# Altium PCB CADDX_passthrough_v1.PcbDoc (continued)
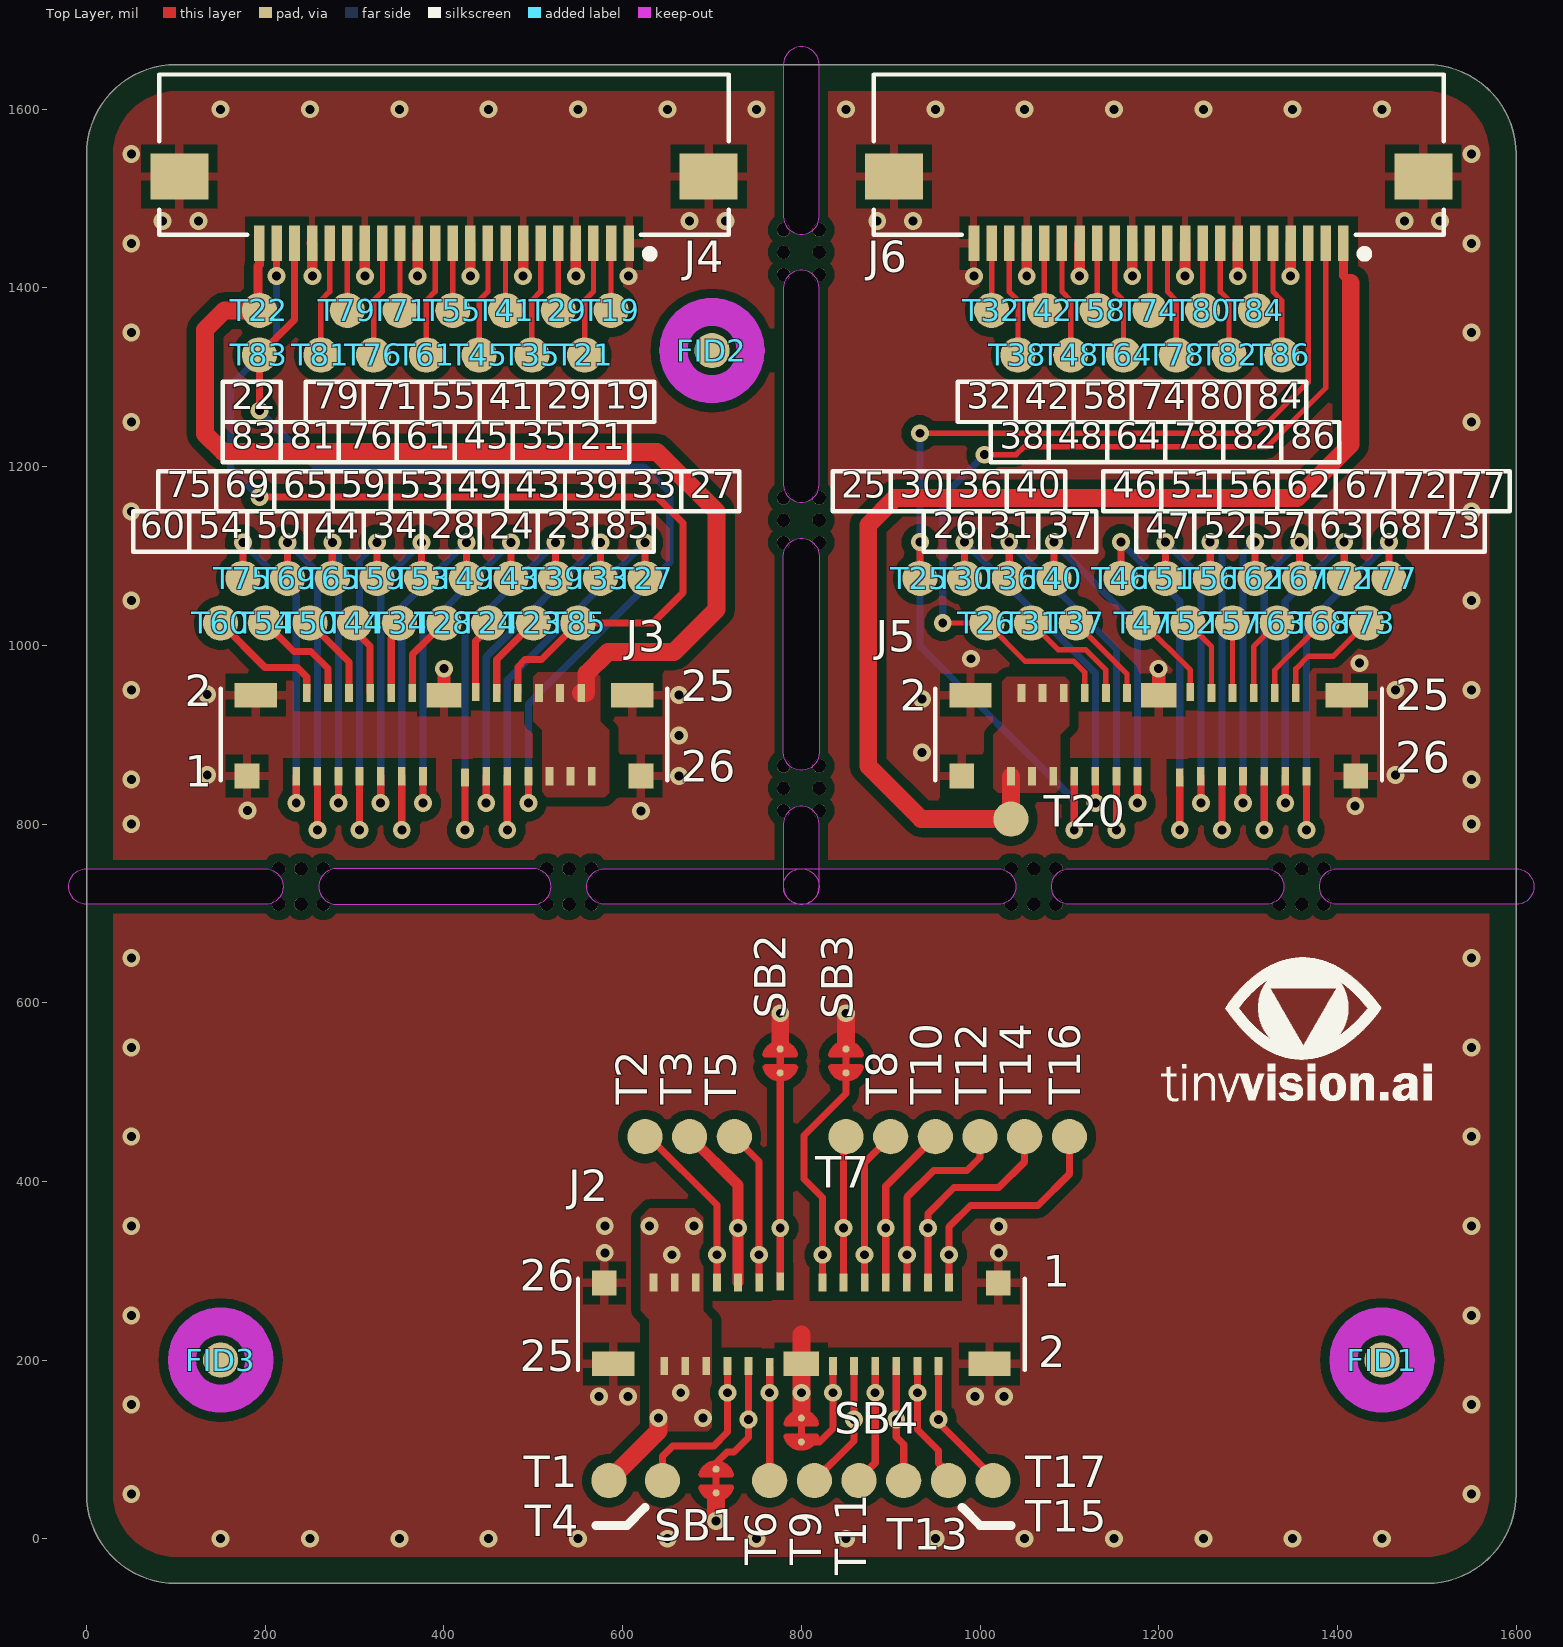
[diagram p0: Top Layer view]
## Part data
J1 J2 J3 J5: "0.3mm Pitch, Vertical Mating, Board-to-Fine Coaxial Cable, -35 ℃ to 85 ℃, RoHS", Flammability Rating="UL94 V-0", Insulation Color=Black, Manufacturer=Hirose, Max Operating Temperature=85°C, Min Operating Temperature=-35°C, Package Quantity=5000, Supplier Part Number=26-DF56C-26S-0.3V(51)DKR-ND, Voltage Rating (AC)=30V, Category="Headers and Wire Housings", ComponentLink1Description=http://www.mouser.com/ds/2/185/DF56_catalog-939255.pdf?src-supplier=Mouser, ComponentLink1URL=http://www.mouser.com/ds/2/185/DF56_catalog-939255.pdf?src-supplier=Mouser, ComponentLink2Description=https://www.hirose.com/product/document?clcode=CL0662-5607-0-51&amp;productname=DF56-50P-0.3SD(51)&amp;series=DF56&amp;documenttype=Catalog&amp;lang=en&amp;documentid=D49344_en&src-supplier=Digi-Key, ComponentLink2URL=https://www.hirose.com/product/document?clcode=CL0662-5607-0-51&amp;productname=DF56-50P-0.3SD(51)&amp;series=DF56&amp;documenttype=Catalog&amp;lang=en&amp;documentid=D49344_en&src-supplier=Digi-Key, Connector Type=Receptacle, Contact Finish - Mating=GOLD, Contact Material=Bronze, Contact Type=Non-Gendered, Fastening Type=Friction, Insulation Material=Polymer, Manufacturer Part Number=DF56C-26S-0.3V(51), Mounting Technology="Surface Mount", Number of Positions=26, Number of Rows=1, Packaging="Tape and Reel", Pricing="1=1.42000, 10=1.23400, 25=1.18160, 50=1.15540, 100=1.10290, 250=0.99788, 500=0.91910, 1000=0.78780, 2500=0.73528 (USD)", RoHS=Yes, RoHS Compliant=Yes, Series=DF56, Supplier=Digi-Key, Termination=Solder
J4 J6: library part 54548-2271, "CONN FFC BOTTOM 22POS 0.50MM R/A", Manufacturer=Molex, Package=None, Supplier Part Number=WM8828CT-ND, Manufacturer Part Number=0545482271, Supplier=Digi-Key
SB1 SB2 SB3 SB4: library part "Solderbridge Shorted", "Shorted Solderbridge", Artikkelnr Noca=N.A., Artikkelnr Simpro=N.A., Footprint Doc=Solderbridge_Shorted, LatestRevisionDate=2012-08-07, Part Number="Solderbridge Shorted", Pin Count=2, Published=2012-08-07, Publisher="Nordic Semiconductor"
T1 T2 T3 T4 T5 T6 T7 T8 T9 T10 T11 T12 T13 T14 T15 T16 T17 T19 T20 T21 T22 T23 T24 T25 T26 T27 T28 T29 T30 T31 T32 T33 T34 T35 T36 T37 T38 T39 T40 T41 T42 T43 T44 T45 T46 T47 T48 T49 T50 T51 T52 T53 T54 T55 T56 T57 T58 T59 T60 T61 T62 T63 T64 T65 T67 T68 T69 T71 T72 T73 T74 T75 T76 T77 T78 T79 T80 T81 T82 T83 T84 T85 T86: library part TP_S, "test point"
FID1 FID2 FID3 FID4 FID5 FID6: Notes=DNP

## Free pads (board coordinates)
  round 15 hole 15 unplated mask+0: 2(215,710) 2(215,750) 2(240,710) 2(240,750) 2(265,710) 2(265,750) 2(515,710) 2(515,750) 2(540,710) 2(540,750) 2(565,710) 2(565,750) 2(780,815) 2(780,840) 2(780,865) 2(780,1115) 2(780,1140) 2(780,1165) 2(780,1415) 2(780,1440) 2(780,1465) 2(820,815) 2(820,840) 2(820,865) 2(820,1115) 2(820,1140) 2(820,1165) 2(820,1415) 2(820,1440) 2(820,1465) 2(1035,710) 2(1035,750) 2(1060,710) 2(1060,750) 2(1085,710) 2(1085,750) 2(1335,710) 2(1335,750) 2(1360,710) 2(1360,750) 2(1385,710) 2(1385,750)

## Via types
v1: diameter 20, hole 10, Top Layer to Bottom Layer, 185 vias

## Nets (pads, with @x,y where several pads share a name; then routed paths per layer and width w, separated by ;. In a path a pad name is that pad's centre, name@x,y a point inside that pad or via, vN(x,y) a via of type N, cw(c..) or ccw(c..) an arc to the next point about the centre after c; other vN are vias at no path point)
GND: J1.P1 J1.P2 J1.P3 J1.P4 J1.P5 J2.P1 J2.P2 J2.P3 J2.P4 J2.P5 J3.P1 J3.P2 J3.P3 J3.P4 J3.P5 J4.1 J4.4 J4.7 J4.10 J4.13 J4.16 J4.19 J4.SH1 J4.SH2 J5.P1 J5.P2 J5.P3 J5.P4 J5.P5 J6.4 J6.7 J6.10 J6.13 J6.16 J6.19 J6.22 J6.SH1 J6.SH2 SB1.1 SB2.2 SB3.2 SB4.1 | length 738.4
  Top Layer w12: J4.19 252.46,1449.91 252.46,1413.41 v1(252.68,1413.19) ; v1(311.42,1413.19) J4.16 ; v1(370.47,1413.19) J4.13 ; v1(429.53,1413.19) J4.10 ; v1(488.58,1413.19) J4.7 ; v1(547.64,1413.19) J4.4 ; v1(1052.36,1413.19) J6.19 ; v1(1111.42,1413.19) J6.16 ; v1(1170.47,1413.19) J6.13 ; v1(1229.53,1413.19) J6.10 ; v1(1288.58,1413.19) J6.7 ; v1(1347.64,1413.19) J6.4
  Top Layer w15: J3.P2 v1(400,973.84) ; J5.P2 v1(1200,973.84)
  Top Layer w20: v1(704.57,19.91) SB1.1 ; SB2.2 v1(776.38,588.13) ; SB4.1 v1(800,163.35) J2.P2 800,228.74 ; SB3.2 v1(850,588.13)
  Bottom Layer w15: v1(800,163.35) J1.P2
  other v1: 150,0 250,0 350,0 450,0 550,0 650,0 750,0 850,0 950,0 1050,0 1150,0 1250,0 1350,0 1450,0 50,50 1550,50 50,150 1550,150 573.33,159 606,159 994.33,159 1027,159 50,250 1550,250 580,320 1021,320 1021,349.35 50,350 580,350 1550,350 50,450 1550,450 50,550 1550,550 50,650 1550,650 50,800 1550,800 620.47,814.43 180,815 1420,820 50,850 1550,850 663,853.74 135,855 1465,855 935,880 663,899.02 935,940 663,944.29 135,945 50,950 1465,950 1550,950 1425,980 990,985 50,1050 1550,1050 50,1150 1550,1150 50,1250 1550,1250 50,1350 1550,1350 606.69,1413.19 993.31,1413.19 50,1450 1550,1450 85,1475 125,1475 675,1475 715,1475 885,1475 925,1475 1475,1475 1515,1475 50,1550 1550,1550 150,1600 250,1600 350,1600 450,1600 550,1600 650,1600 750,1600 850,1600 950,1600 1050,1600 1150,1600 1250,1600 1350,1600 1450,1600
MCLK: J1.12 J2.15 T6.1 | length 157.2
  Top Layer w8: T6.1 v1(764.57,163.35) J2.15
  Bottom Layer w8: v1(764.57,163.35) J1.12
MIPI_RX_SCL: J5.7 J6.3 T25.1 | length 1229.8
  Top Layer w6: v1(932.68,1237.38) 961.66,1237.38 1310.11,1237.38 1367.32,1294.6 J6.3
  Top Layer w8: T25.1 v1(932.68,1115.47) ; v1(1105.51,793.35) J5.7
  Bottom Layer w8: v1(932.68,1237.38) v1(932.68,1115.47) 932.68,999.34 1105.51,826.5 v1(1105.51,793.35)
MIPI_RX_SDA: J5.8 J6.2 T26.1 | length 987.6
  Top Layer w6: v1(958.29,1025) T26.1 1050.68,982 1105,982 1117.32,969.68 J5.8 ; v1(1005.01,1213.4) 1040.43,1213.4 1049.18,1222.14 1321.11,1222.14 1387.01,1288.04 J6.2
  Bottom Layer w8: v1(958.29,1025) 958.29,1166.67 v1(1005.01,1213.4)
MIPI_RXCLK_N: J6.15 T58.1 | length 75
  Top Layer w6: T58.1 J6.15
MIPI_RXCLK_P: J6.14 T64.1 | length 129.1
  Top Layer w6: J6.14 1150.79,1395.88 1160.63,1386.04 T64.1
MIPI_RXD0_N: J6.21 T32.1 | length 75
  Top Layer w6: T32.1 J6.21
MIPI_RXD0_P: J6.20 T38.1 | length 129.1
  Top Layer w6: J6.20 1032.68,1395.88 1042.52,1386.04 T38.1
MIPI_RXD1_N: J6.18 T42.1 | length 75
  Top Layer w6: T42.1 J6.18
MIPI_RXD1_P: J6.17 T48.1 | length 129.1
  Top Layer w6: J6.17 1091.73,1395.88 1101.57,1386.04 T48.1
MIPI_TX_LED: J4.18 T81.1 | length 129.1
  Top Layer w6: T81.1 262.2,1386.04 272.05,1395.88 J4.18
MIPI_TX_SCL: J3.20 J4.20 T83.1 | length 1144.3
  Top Layer w8: v1(193.31,1262.65) T83.1 232.68,1364.37 J4.20 ; v1(494.49,823.35) J3.20
  Bottom Layer w8: v1(193.31,1262.65) 256.39,1199.57 624.21,1199.57 652.72,1171.06 652.72,1092.77 494.49,934.55 v1(494.49,823.35)
MIPI_TX_SDA: J3.19 J4.21 T85.1 | length 1131.5
  Top Layer w8: v1(193.31,1166) 638.69,1166 667.64,1137.05 667.64,1058.96 633.68,1025 T85.1 509.06,984.06 490.84,984.06 482.68,975.89 J3.19 ; v1(212.68,1413.41) J4.21@212.68,1449.69
  Bottom Layer w8: v1(193.31,1166) 160.94,1198.36 160.94,1290.78 212.68,1342.51 v1(212.68,1413.41)
MIPI_TX_TRIG: J4.17 T79.1 | length 75
  Top Layer w6: T79.1 J4.17
MIPI_TXCLK_N: J4.8 T41.1 | length 75
  Top Layer w6: T41.1 J4.8
MIPI_TXCLK_P: J4.9 T45.1 | length 129.1
  Top Layer w6: T45.1 439.37,1386.04 449.21,1395.88 J4.9
MIPI_TXD0_N: J4.2 T19.1 | length 75
  Top Layer w6: T19.1 J4.2
MIPI_TXD0_P: J4.3 T21.1 | length 129.1
  Top Layer w6: T21.1 557.48,1386.04 567.32,1395.88 J4.3
MIPI_TXD1_N: J4.5 T29.1 | length 75
  Top Layer w6: T29.1 J4.5
MIPI_TXD1_P: J4.6 T35.1 | length 129.1
  Top Layer w6: T35.1 498.43,1386.04 508.27,1395.88 J4.6
NetJ3_1: J3.1 T75.1 | length 386.5
  Top Layer w8: T75.1 v1(175,1115.06) ; v1(234.65,823.35) J3.1
  Bottom Layer w8: v1(175,1115.06) 234.65,1055.41 v1(234.65,823.35)
NetJ3_2: J3.2 T60.1 | length 139.4
  Top Layer w8: T60.1 200,975 235.98,975 246.46,964.53 J3.2
NetJ3_3: J3.3 T69.1 | length 435.5
  Top Layer w8: T69.1 v1(225,1115.06) ; v1(258.27,793.35) J3.3
  Bottom Layer w8: v1(225,1115.06) 258.27,1081.79 v1(258.27,793.35)
NetJ3_4: J3.4 T54.1 | length 118.5
  Top Layer w8: T54.1 232,993 251,993 270.08,973.92 J3.4
NetJ3_5: J3.5 T65.1 | length 364.6
  Top Layer w8: T65.1 v1(275,1115.06) ; v1(281.89,823.35) J3.5
  Bottom Layer w8: v1(275,1115.06) 275,1111.81 281.89,1104.92 v1(281.89,823.35)
NetJ3_6: J3.6 T50.1 | length 96.4
  Top Layer w8: T50.1 293.7,981.3 J3.6
NetJ3_7: J3.7 T59.1 | length 429.8
  Top Layer w8: v1(305.51,793.35) J3.7 ; T59.1 v1(325,1115.06)
  Bottom Layer w8: v1(305.51,793.35) 305.51,1095.57 v1(325,1115.06)
NetJ3_8: J3.8 T44.1 | length 85.5
  Top Layer w8: T44.1 300,1016.51 317.32,999.19 J3.8
NetJ3_9: J3.9 T53.1 | length 380.8
  Top Layer w8: v1(329.13,823.35) J3.9 ; T53.1 v1(375,1115.06)
  Bottom Layer w8: v1(329.13,823.35) 329.13,1069.19 v1(375,1115.06)
NetJ3_10: J3.10 T34.1 | length 82.1
  Top Layer w8: J3.10 340.94,1007.46 350,1016.51 T34.1
NetJ3_11: J3.11 T49.1 | length 451.7
  Top Layer w8: v1(352.76,793.35) J3.11 ; T49.1 v1(425,1115.06)
  Bottom Layer w8: v1(352.76,793.35) 352.76,1042.81 v1(425,1115.06)
NetJ3_12: J3.12 T28.1 | length 93
  Top Layer w8: J3.12 364.57,989.57 T28.1
NetJ3_13: J3.13 T43.1 | length 402.6
  Top Layer w8: v1(376.38,823.35) J3.13 ; T43.1 v1(475,1115.06)
  Bottom Layer w8: v1(376.38,823.35) 376.38,1016.44 v1(475,1115.06)
NetJ3_14: J3.14 T39.1 | length 462.6
  Top Layer w8: v1(423.62,793.35) J3.14 ; T39.1 v1(525,1115.06)
  Bottom Layer w8: v1(423.62,793.35) 423.62,1013.68 v1(525,1115.06)
NetJ3_15: J3.15 T24.1 | length 83.2
  Top Layer w8: J3.15 435.43,1004.63 450,1019.2 T24.1
NetJ3_16: J3.16 T33.1 | length 414.7
  Top Layer w8: v1(447.24,823.35) J3.16 ; T33.1 v1(575,1115.06)
  Bottom Layer w8: v1(447.24,823.35) 447.24,987.3 v1(575,1115.06)
NetJ3_17: J3.17 T23.1 | length 95.3
  Top Layer w8: J3.17 459.06,984.06 T23.1
NetJ3_18: J3.18 T27.1 | length 485.6
  Top Layer w8: v1(470.87,793.35) J3.18 ; T27.1 v1(625,1115.06)
  Bottom Layer w8: v1(470.87,793.35) 470.87,960.92 v1(625,1115.06)
NetJ4_11: J4.11 T55.1 | length 75
  Top Layer w6: T55.1 J4.11
NetJ4_12: J4.12 T61.1 | length 129.1
  Top Layer w6: T61.1 380.31,1386.04 390.16,1395.88 J4.12
NetJ4_14: J4.14 T71.1 | length 75
  Top Layer w6: T71.1 J4.14
NetJ4_15: J4.15 T76.1 | length 129.1
  Top Layer w6: T76.1 321.26,1386.04 331.1,1395.88 J4.15
NetJ5_9: J5.9 T30.1 | length 423.3
  Top Layer w8: T30.1 v1(982.68,1115.47) ; v1(1129.13,823.35) J5.9
  Bottom Layer w8: v1(982.68,1115.47) 1129.13,969.01 v1(1129.13,823.35)
NetJ5_10: J5.10 T31.1 | length 130.9
  Top Layer w6: T31.1 1087.68,995 1118.47,995 1140.94,972.52 J5.10
NetJ5_11: J5.11 T36.1 | length 472.3
  Top Layer w8: T36.1 v1(1032.68,1115.47) ; v1(1152.76,793.35) J5.11
  Bottom Layer w8: v1(1032.68,1115.47) 1152.76,995.39 v1(1152.76,793.35)
NetJ5_12: J5.12 T37.1 | length 101.9
  Top Layer w6: T37.1 1164.57,968.11 J5.12
NetJ5_13: J5.13 T40.1 | length 401.4
  Top Layer w8: T40.1 v1(1082.68,1115.47) ; v1(1176.38,823.35) J5.13
  Bottom Layer w8: v1(1082.68,1115.47) 1176.38,1021.77 v1(1176.38,823.35)
NetJ5_14: J5.14 T46.1 | length 448.7
  Top Layer w8: T46.1 v1(1157.68,1115.47) ; v1(1223.62,793.35) J5.14
  Bottom Layer w8: v1(1157.68,1115.47) 1223.62,1049.52 v1(1223.62,793.35)
NetJ5_15: J5.15 T47.1 | length 99
  Top Layer w6: T47.1 1235.43,972.24 J5.15
NetJ5_16: J5.16 T51.1 | length 379
  Top Layer w8: T51.1 v1(1207.68,1115.47) ; v1(1247.24,823.35) J5.16
  Bottom Layer w8: v1(1207.68,1115.47) 1247.24,1075.9 v1(1247.24,823.35)
NetJ5_17: J5.17 T52.1 | length 89.3
  Top Layer w6: T52.1 1259.06,998.62 J5.17
NetJ5_18: J5.18 T56.1 | length 428.1
  Top Layer w8: T56.1 v1(1257.68,1115.47) ; v1(1270.87,793.35) J5.18
  Bottom Layer w8: v1(1257.68,1115.47) 1270.87,1102.28 v1(1270.87,793.35)
NetJ5_19: J5.19 T57.1 | length 78.3
  Top Layer w6: J5.19 T57.1
NetJ5_20: J5.20 T62.1 | length 368.1
  Top Layer w8: v1(1294.49,823.35) J5.20 ; T62.1 v1(1307.68,1115.47)
  Bottom Layer w8: v1(1294.49,823.35) 1294.49,1102.28 v1(1307.68,1115.47)
NetJ5_21: J5.21 T63.1 | length 89.3
  Top Layer w6: J5.21 1306.3,998.62 T63.1
NetJ5_22: J5.22 T67.1 | length 439
  Top Layer w8: v1(1318.11,793.35) J5.22 ; T67.1 v1(1357.68,1115.47)
  Bottom Layer w8: v1(1318.11,793.35) 1318.11,1075.9 v1(1357.68,1115.47)
NetJ5_23: J5.23 T68.1 | length 100.2
  Top Layer w6: J5.23 1329.92,972.24 T68.1
NetJ5_24: J5.24 T72.1 | length 389.9
  Top Layer w8: v1(1341.73,823.35) J5.24 ; T72.1 v1(1407.68,1115.47)
  Bottom Layer w8: v1(1341.73,823.35) 1341.73,1049.52 v1(1407.68,1115.47)
NetJ5_25: J5.25 T73.1 | length 127.4
  Top Layer w6: J5.25 1353.54,973.67 1367.79,987.92 1395.6,987.92 T73.1
NetJ5_26: J5.26 T77.1 | length 460.8
  Top Layer w8: v1(1365.35,793.35) J5.26 ; T77.1 v1(1457.68,1115.47)
  Bottom Layer w8: v1(1365.35,793.35) 1365.35,1023.15 v1(1457.68,1115.47)
NetJ6_5: J6.5 T86.1 | length 129.1
  Top Layer w6: J6.5 1327.95,1395.88 1337.8,1386.04 T86.1
NetJ6_6: J6.6 T84.1 | length 75
  Top Layer w6: T84.1 J6.6
NetJ6_8: J6.8 T82.1 | length 129.1
  Top Layer w6: J6.8 1268.9,1395.88 1278.74,1386.04 T82.1
NetJ6_9: J6.9 T80.1 | length 75
  Top Layer w6: T80.1 J6.9
NetJ6_11: J6.11 T78.1 | length 129.1
  Top Layer w6: J6.11 1209.84,1395.88 1219.69,1386.04 T78.1
NetJ6_12: J6.12 T74.1 | length 75
  Top Layer w6: T74.1 J6.12
P1V8D: J1.9 J2.18 T3.1 | length 247
  Top Layer w12: T3.1 729.13,395.87 v1(729.13,347.84) J2.18
  Bottom Layer w12: J1.9 v1(729.13,347.84)
P3V3D: J1.1 J1.2 J1.3 J1.4 J1.5 J1.6 J2.21 J2.22 J2.23 J2.24 J2.25 J2.26 T1.1 | length 93
  Top Layer w20: T1.1 640,120.43 v1(640,135)
  other v1: 690,135 665,163.35 655,317.84 630,350 680,350
P3V3D_1: J3.21 J3.22 J3.23 J3.24 J3.25 J3.26 J4.22 T22.1 | length 1183.6
  Top Layer w10: T22.1 191.68,1376.63 191.68,1424.59 193.31,1426.22 J4.22
  Top Layer w20: T22.1 154.29,1375 132.59,1353.3 132.59,1236.68 152.81,1216.46 638.54,1216.46 705,1150 705,1040 657.62,992.62 583.56,992.62 559.21,968.27 559.21,946.89 558.98,946.65 J3.25
P3V3D_2: J5.1 J5.2 J5.3 J5.4 J5.5 J5.6 J6.1 T20.1 | length 1308.2
  Top Layer w10: J6.1 1406.69,1414.19 1415,1405.88
  Top Layer w20: J5.1 T20.1 934.11,805.53 874.85,864.79 874.85,1134.85 905,1165 1355.1,1165 1415,1224.9 1415,1405.88
PIN_10: J1.10 J2.17 SB1.2 | length 195.1
  Top Layer w8: SB1.2 704.57,84.65 717.08,97.16 724.75,97.16 740.94,113.36 v1(740.94,133.35) J2.17
  Bottom Layer w8: v1(740.94,133.35) J1.10
PIN_11: J1.11 J2.16 T5.1 | length 206
  Top Layer w8: T5.1 752.76,422.24 v1(752.76,317.84) J2.16
  Bottom Layer w8: J1.11 v1(752.76,317.84)
PIN_13: J1.13 J2.14 SB2.1 | length 294.9
  Top Layer w8: J2.14 v1(776.38,347.84) SB2.1
  Bottom Layer w8: J1.13 v1(776.38,347.84)
PIN_14: J1.14 J2.13 SB3.1 | length 290.6
  Top Layer w8: J2.13 v1(823.62,317.84) 823.62,382.04 802.99,402.67 802.99,451.22 850,498.23 ; 850,500.51 SB3.1
  Bottom Layer w8: J1.14 v1(823.62,317.84)
PIN_15: J1.15 J2.12 SB4.2 | length 140.4
  Top Layer w8: SB4.2 820.3,108.35 835.43,123.49 v1(835.43,163.35) J2.12
  Bottom Layer w8: v1(835.43,163.35) J1.15
PIN_16: J1.16 J2.11 T7.1 | length 225.7
  Top Layer w8: J2.11 v1(847.24,347.84) 847.24,402.67 847.24,447.24 T7.1
  Bottom Layer w8: J1.16 v1(847.24,347.84)
PIN_17: J1.17 J2.10 T9.1 | length 206.8
  Top Layer w8: T9.1 859.06,109.49 J2.10
  Bottom Layer w8: v1(859.06,133.35) J1.17
PIN_18: J1.18 J2.9 T8.1 | length 206.6
  Top Layer w8: J2.9 v1(870.87,317.84) 870.87,420.87 T8.1
  Bottom Layer w8: J1.18 v1(870.87,317.84)
PIN_19: J1.19 J2.8 T11.1 | length 165.8
  Top Layer w8: T11.1 864.57,66.96 882.68,85.07 J2.8
  Bottom Layer w8: v1(882.68,163.35) J1.19
PIN_20: J1.20 J2.7 T10.1 | length 247.5
  Top Layer w8: J2.7 v1(894.49,347.84) 894.49,394.49 T10.1
  Bottom Layer w8: J1.20 v1(894.49,347.84)
PIN_21: J1.21 J2.6 T13.1 | length 191.8
  Top Layer w8: J2.6 906.3,113.7 914.57,105.43 T13.1
  Bottom Layer w8: v1(906.3,133.35) J1.21
PIN_22: J1.22 J2.5 T12.1 | length 250.3
  Top Layer w8: J2.5 v1(918.11,317.84) 918.11,382.11 948.12,412.12 985.4,412.12 1000,426.73 T12.1
  Bottom Layer w8: J1.22 v1(918.11,317.84)
PIN_23: J1.23 J2.4 T15.1 | length 172.7
  Top Layer w8: J2.4 v1(929.92,163.35) 929.92,122.24 953.54,98.62 953.54,84.51 964.57,73.49 T15.1
  Bottom Layer w8: v1(929.92,163.35) J1.23
PIN_24: J1.24 J2.3 T14.1 | length 298.7
  Top Layer w8: J2.3 v1(941.73,347.84) 941.73,363.73 971,393 1021,393 1050,422 T14.1
  Bottom Layer w8: J1.24 v1(941.73,347.84)
PIN_25: J1.25 J2.2 T17.1 | length 213.6
  Top Layer w8: J2.2 v1(953.54,133.35) 953.54,130.1 1014.57,69.07 T17.1
  Bottom Layer w8: v1(953.54,133.35) J1.25
PIN_26: J1.26 J2.1 T16.1 | length 294.7
  Top Layer w8: J2.1 v1(965.35,317.84) 965.35,349.08 989.27,373 1065,373 1100,408 T16.1
  Bottom Layer w8: J1.26 v1(965.35,317.84)
SCL: J1.7 J2.20 T2.1 | length 230.3
  Top Layer w8: T2.1 629.05,450 705.51,373.54 v1(705.51,317.84) J2.20
  Bottom Layer w8: J1.7 v1(705.51,317.84)
SDA: J1.8 J2.19 T4.1 | length 215.3
  Top Layer w8: T4.1 644.57,92.37 656.1,103.9 701.9,103.9 717.32,119.32 v1(717.32,163.35) J2.19
  Bottom Layer w8: v1(717.32,163.35) J1.8
pads on no net: FID1.1 FID2.1 FID3.1 FID4.1 FID5.1 FID6.1

## Polygon pours and split planes (outlines as drawn)
GND on Bottom Layer "GND_L02" (solid, pour order 10): 29.99,50 ccw(c100,50) 100,-20.01 1499.97,-20.01 1500.07,-20.01 ccw(c1500,50) 1570.01,50 1570.01,1550 ccw(c1500,1550) 1500,1620.02 100,1620.02 ccw(c100,1550) 29.99,1550
P3V3D on Bottom Layer "PWR_L02" (solid, pour order 0): 635,120 630,125 630,245 620,255 620,360 625,365 685,365 690,360 690,255 700,245 700,125 695,120
GND on Top Layer "GND_L01" (solid, pour order 13): 29.99,50 ccw(c100,50) 100,-20.01 1499.97,-20.01 1500.07,-20.01 ccw(c1500,50) 1570.01,50 1570.01,1550 ccw(c1500,1550) 1500,1620.02 100,1620.02 ccw(c100,1550) 29.99,1550
P3V3D on Top Layer "PWR_L01" (solid, pour order 6): 690,360 680,370 630,370 620,360 620,255 630,245 630,125 635,120 695,120 700,125 700,245 690,255
P3V3D_1 on Top Layer "P3V3D_1_L01" (solid, pour order 1): 505,970 500,965 500,915 510,905 510,835 515,830 580,830 585,835 585,905 575,915 575,965 570,970
P3V3D_2 on Top Layer "PWR_L01" (solid, pour order 11): 1085,835 1090,840 1090,900 1100,910 1100,960 1095,965 1030,965 1025,960 1025,910 1015,900 1015,840 1020,835

## Other copper
Top Layer:
  text "TOP LAYER" at 561.9,-244.9 h100
Bottom Layer:
  text "BOTTOM LAYER" at 499.9,-244.9 h100

## Silkscreen, mask and mechanical layers (free items; w line width, h text height)
Top Overlay:
  drawing of 4343 lines, arcs and shapes, not listed
  text "79" at 255,1255.55 h50
  text "55" at 385,1255.55 h50
  text "29" at 515.18,1255.55 h50
  text "19" at 580.23,1255.55 h50
  text "32" at 985,1255.55 h50
  text "58" at 1115,1255.55 h50
  text "80" at 1245.23,1255.55 h50
  text "84" at 1310.23,1255.55 h50
  text "22" at 162.13,1255 h50
  text "71" at 320,1255 h50
  text "41" at 450,1255 h50
  text "42" at 1050,1255 h50
  text "74" at 1180,1255 h50
  text "83" at 161.99,1210.55 h50
  text "81" at 227.18,1210.55 h50
  text "76" at 292.18,1210.55 h50
  text "61" at 357.18,1210.55 h50
  text "45" at 422.18,1210.55 h50
  text "35" at 487.18,1210.55 h50
  text "38" at 1022.18,1210.55 h50
  text "48" at 1087.18,1210.55 h50
  text "64" at 1152.18,1210.55 h50
  text "78" at 1217.18,1210.55 h50
  text "82" at 1282.18,1210.55 h50
  text "86" at 1347.18,1210.55 h50
  text "21" at 552.13,1210 h50
  text "75" at 89.42,1156.42 h50
  text "69" at 154.42,1156.42 h50
  text "65" at 220,1155.55 h50
  text "59" at 284.42,1156.42 h50
  text "53" at 350,1155.55 h50
  text "49" at 415,1155.55 h50
  text "43" at 480,1155.55 h50
  text "39" at 545,1155.55 h50
  text "33" at 610,1155.55 h50
  text "25" at 844.95,1155.55 h50
  text "30" at 910,1155.55 h50
  text "36" at 975,1155.55 h50
  text "40" at 1040,1155.55 h50
  text "46" at 1147.82,1155.55 h50
  text "51" at 1212.82,1155.55 h50
  text "56" at 1277.82,1155.55 h50
  text "62" at 1342.82,1155.55 h50
  text "67" at 1408.05,1155.55 h50
  text "27" at 674.95,1155 h50
  text "72" at 1473.05,1155 h50
  text "77" at 1538.05,1155 h50
  text "60" at 60,1110.55 h50
  text "54" at 125,1110.55 h50
  text "50" at 190,1110.55 h50
  text "34" at 320,1110.55 h50
  text "28" at 384.95,1110.55 h50
  text "23" at 514.95,1110.55 h50
  text "85" at 580,1110.55 h50
  text "26" at 947.13,1110.55 h50
  text "31" at 1010,1110.55 h50
  text "37" at 1075,1110.55 h50
  text "52" at 1250,1110.55 h50
  text "57" at 1315,1110.55 h50
  text "63" at 1380,1110.55 h50
  text "68" at 1445,1110.55 h50
  text "73" at 1510,1110.55 h50
  text "44" at 255,1110 h50
  text "24" at 449.95,1110 h50
  text "47" at 1185,1110 h50
  text "SILKSCREEN TOP" at 505.9,-339.9 h100
Bottom Overlay:
  text "SILKSCREEN BOTTOM" at 1339.9,-337.9 h100
Top Paste:
  text "PASTEMASK TOP" at 452.9,-524.9 h100
Bottom Paste:
  text "PASTEMASK BOTTOM" at 359.9,-524.9 h100
Top Solder:
  text "SOLDERMASK TOP" at 449.9,-425.9 h100
Bottom Solder:
  text "SOLDERMASK BOTTOM" at 331.9,-429.9 h100
Drill Guide:
  text "DRILL GUIDE" at 590,-620 h100
Outline:
  the board outline again, w5
  text "BOARD OUTLINE" at 510,-720 h100
Top Assembly:
  text "ASSEMBLY TOP" at 490.9,-143.9 h100
Bottom Assembly:
  text "ASSEMBLY BOTTOM" at 1295.9,-141.7 h100
Drill Drawing:
  lines w1: 5375.3,1220.73 5504.57,1350 5704.57,1550 5904.57,1750 6104.57,1950 6304.57,2150 ; 5375.3,1320.73 5404.57,1350 5604.57,1550 5804.57,1750 6004.57,1950 6204.57,2150 6304.57,2250 ; 5375.3,1420.73 5504.57,1550 5704.57,1750 5904.57,1950 6104.57,2150 6304.57,2350 ; 5375.3,1520.73 5404.57,1550 5604.57,1750 5804.57,1950 6004.57,2150 6204.57,2350 6304.57,2450 ; 5375.3,1620.73 5504.57,1750 5704.57,1950 5904.57,2150 6104.57,2350 6304.57,2550 ; 5375.3,1720.73 5404.57,1750 5604.57,1950 5804.57,2150 6004.57,2350 6204.57,2550 ; 5375.3,1820.73 5504.57,1950 5704.57,2150 5904.57,2350 6104.57,2550 ; 5375.3,1920.73 5404.57,1950 5604.57,2150 5804.57,2350 6004.57,2550 ; 5375.3,2020.73 5504.57,2150 5704.57,2350 5904.57,2550 ; 5375.3,2120.73 5404.57,2150 5604.57,2350 5804.57,2550 ; 5375.3,2220.73 5504.57,2350 5704.57,2550 ; 5375.3,2320.73 5404.57,2350 5604.57,2550 ; 5375.3,2420.73 5504.57,2550 ; 5375.3,2520.73 5404.57,2550 ; 5404.57,1150 5604.57,1350 5804.57,1550 6004.57,1750 6204.57,1950 6304.57,2050 ; 5504.57,1150 5704.57,1350 5904.57,1550 6104.57,1750 6304.57,1950 ; 5604.57,1150 5804.57,1350 6004.57,1550 6204.57,1750 6304.57,1850 ; 5704.57,1150 5904.57,1350 6104.57,1550 6304.57,1750 ; 5804.57,1150 6004.57,1350 6204.57,1550 6304.57,1650 ; 5904.57,1150 6104.57,1350 6304.57,1550 ; 6004.57,1150 6204.57,1350 6304.57,1450 ; 6104.57,1150 6304.57,1350 ; 6204.57,1150 6304.57,1250
  lines w15: 2270,1350 2688.49,1350 3497.78,1350 4225.03,1350 4822.41,1350 5375.3,1350 6304.57,1350 ; 2270,1550 2688.49,1550 3497.78,1550 4225.03,1550 4822.41,1550 5375.3,1550 6304.57,1550 ; 2270,1750 2688.49,1750 3497.78,1750 4225.03,1750 4822.41,1750 5375.3,1750 6304.57,1750 ; 2270,1950 2688.49,1950 3497.78,1950 4225.03,1950 4822.41,1950 5375.3,1950 6304.57,1950 ; 2270,2150 2688.49,2150 3497.78,2150 4225.03,2150 4822.41,2150 5375.3,2150 6304.57,2150 ; 2270,2350 2688.49,2350 3497.78,2350 4225.03,2350 4822.41,2350 5375.3,2350 6304.57,2350 ; 2270,2550 6304.57,2550 ; 2688.49,2750 2688.49,1150 ; 3497.78,2750 3497.78,1150 ; 4225.03,2750 4225.03,1150 ; 4822.41,2750 4822.41,1150 ; 5375.3,2750 5375.3,1150 ; 2688.49,1150 2270,1150 2270,2750 6304.57,2750 6304.57,1150 5375.3,1150 ; 2688.49,1150 3497.78,1150 ; 3497.78,1150 4225.03,1150 ; 4225.03,1150 4822.41,1150 ; 4822.41,1150 5375.3,1150
  lines w20: 2275,312.2 7770.41,312.2 ; 2275,726.6 7770.41,726.6 ; 2838.44,105 2838.44,933.8 ; 3342.29,105 3342.29,933.8 ; 4275.71,105 4275.71,933.8 ; 4707.89,105 4707.89,933.8 ; 5333.6,105 5333.6,933.8 ; 6540.82,105 6540.82,933.8 ; 7046.65,105 7046.65,933.8 ; 2275,105 7770.41,105 7770.41,933.8 2275,933.8 2275,105
  text "FABRICATION NOTE" at 2327.04,4574.14 h100
  text "NOTES: (UNLESS OTHERWISE SPECIFIED)" at 2327.92,4471.69 h100
  text "1. FABRICATE PER IPC-6012B TYPE 2 CLASS 3" at 2313.94,4273.01 h50
  text "2. MATERIAL:" at 2313.94,4153.01 h50
  text "BASE MATERIAL  : FR4 Tg 180" at 2815.75,4152.75 h50
  text "3. BOARD THICKNESS: 1.6MM +/- 10% TOL." at 2313.94,4033.01 h50
  text "4. NO OF LAYERS: 02" at 2317.68,3938.82 h50
  text "5. SURFACE FINISH: ENIG FINISH" at 2317.68,3818.82 h50
  text "6. SOLDERMASK CLEARANCE IS GIVEN SAME AS PAD SIZE EXCEPT FIDUCIALS." at 2317.68,3698.82 h50
  text "VENDOR SHALL MODIFY THE MASK CLEARANCE AS PER THE REQUIRED MANUFACTURING TOLERANCE" at 2437.68,3578.82 h50
  text "COLOR:GREEN" at 2357.68,3458.82 h50
  text "7. SILKSCREEN:DOUBLE SIDE WITH PERMANENT NON CONDUCTIVE WHITE EPOXY INK" at 2317.68,3338.82 h50
  text "SILKSCREEN MAY BE TRIMMED OFF ANY SOLDERED ENTITY." at 2357.68,3218.82 h50
  text "8. BOW AND TWIST NOT TO EXCEED 0.180MM (0.007\") PER INCH AS MEASURED PER IPC-TM-650." at 2317.68,3098.82 h50
  text "9. 100%CONTINUITY TESTING USING DATABASE NETLIST SHALL BE PERFORMED." at 2317.68,2978.82 h50
  text "10. VENDOR SHOULD FOLLOW ROHS COMPLAINT PROCESS FOR MANUFACTURING." at 2317.68,2858.82 h50
  text "Layer" at 2370,2600 h100
  text "Name" at 2788.49,2600 h100
  text "Material" at 3597.78,2600 h100
  text "Thickness" at 4325.03,2600 h100
  text "Constant" at 4922.41,2600 h100
  text "Board Layer Stack" at 5475.3,2600 h100
  text "Top Overlay" at 2788.49,2400 h100
  text "Top Solder" at 2788.49,2200 h100
  text "Solder Resist" at 3597.78,2200 h100
  text "0.50mil" at 4325.03,2200 h100
  text "3.5" at 4922.41,2200 h100
  text "1" at 2370,2000 h100
  text "Top Layer" at 2788.49,2000 h100
  text "1.38mil" at 4325.03,2000 h100
  text "Dielectric 1" at 2788.49,1800 h100
  text "Core-009" at 3597.78,1800 h100
  text "59.06mil" at 4325.03,1800 h100
  text "4" at 4922.41,1800 h100
  text "2" at 2369.91,1600 h100
  text "Bottom Layer" at 2788.49,1600 h100
  text "1.38mil" at 4325.03,1600 h100
  text "Bottom Solder" at 2788.49,1400 h100
  text "Solder Resist" at 3597.78,1400 h100
  text "0.50mil" at 4325.03,1400 h100
  text "3.5" at 4922.41,1400 h100
  text "Bottom Overlay" at 2788.49,1200 h100
  text "Total board thickness:" at 2370,1000 h100
  text "62.81mil" at 4325.03,1000 h100
  text "Symbol" at 2399.32,788.76 h120
  text "Count" at 2900.6,788.76 h120
  text "Hole Size" at 3404.45,788.76 h120
  text "Plated" at 4337.87,788.76 h120
  text "Hole Type" at 4770.05,788.76 h120
  text "Drill Layer Pair" at 5395.76,788.76 h120
  text "Via/Pad" at 6602.98,788.76 h120
  text "Pad Shape" at 7108.81,788.76 h120
  text "42" at 2900.6,581.56 h100
  text "15.00mil (0.381mm)" at 3404.45,581.56 h100
  text "NPTH" at 4337.87,581.56 h100
  text "Round" at 4770.05,581.56 h100
  text "Top Layer - Bottom Layer" at 5395.76,581.56 h100
  text "Pad" at 6602.98,581.56 h100
  text "Rounded" at 7108.81,581.56 h100
  text "B" at 2361.76,571.58 h92.09
  text "185" at 2900.6,374.36 h100
  text "10.00mil (0.254mm)" at 3404.45,374.36 h100
  text "PTH" at 4337.87,374.36 h100
  text "Round" at 4770.05,374.36 h100
  text "Top Layer - Bottom Layer" at 5395.76,374.36 h100
  text "Via" at 6602.98,374.36 h100
  text "Rounded" at 7108.81,374.36 h100
  text "A" at 2361.76,364.38 h92.09
  text "227 Total" at 2900.6,167.16 h100
  text "DRILL DRAWING" at 515,-620 h100

## Text inside footprints (layer, text, board x,y; h text height)
J1: Bottom Overlay "2" at 615.06,110 h60; Bottom Overlay "1" at 610,320 h60; Bottom Overlay "25" at 1020.06,110.67 h60; Bottom Overlay "26" at 1021.06,320.67 h60; Bottom Assembly "2" at 600.04,200 h40; Bottom Assembly "1" at 600,255 h40; Bottom Assembly "25" at 1025.04,200.44 h40; Bottom Assembly "26" at 1025.04,255.44 h40
J2: Top Assembly "25" at 685.06,169.33 h60 r180; Top Assembly "2" at 970.06,170 h60 r180; Top Assembly "26" at 645.06,344.33 h60 r180; Top Assembly "1" at 985,340 h60 r180; Top Overlay "26" at 484.94,265.67 h60; Top Overlay "25" at 484.94,175.67 h60; Top Overlay "2" at 1064.94,180 h60; Top Overlay "1" at 1070,270 h60
J3: Top Assembly "1" at 165,860 h40; Top Assembly "26" at 594.96,860.44 h40; Top Assembly "2" at 164.96,915 h40; Top Assembly "25" at 594.96,915.44 h40; Top Overlay "2" at 109.94,920 h60; Top Overlay "1" at 110,830 h60; Top Overlay "25" at 664.94,925.67 h60; Top Overlay "26" at 664.94,835.67 h60
J5: Top Assembly "1" at 965,860 h40; Top Assembly "26" at 1399.96,860.44 h40; Top Assembly "2" at 959.96,915 h40; Top Assembly "25" at 1399.96,915.44 h40; Top Overlay "2" at 909.94,915 h60; Top Overlay "25" at 1464.94,915.67 h60; Top Overlay "26" at 1464.94,845.67 h60